# Altium PCB DAC_Sources_REV2.PcbDoc (part 7 of 9) (continued)
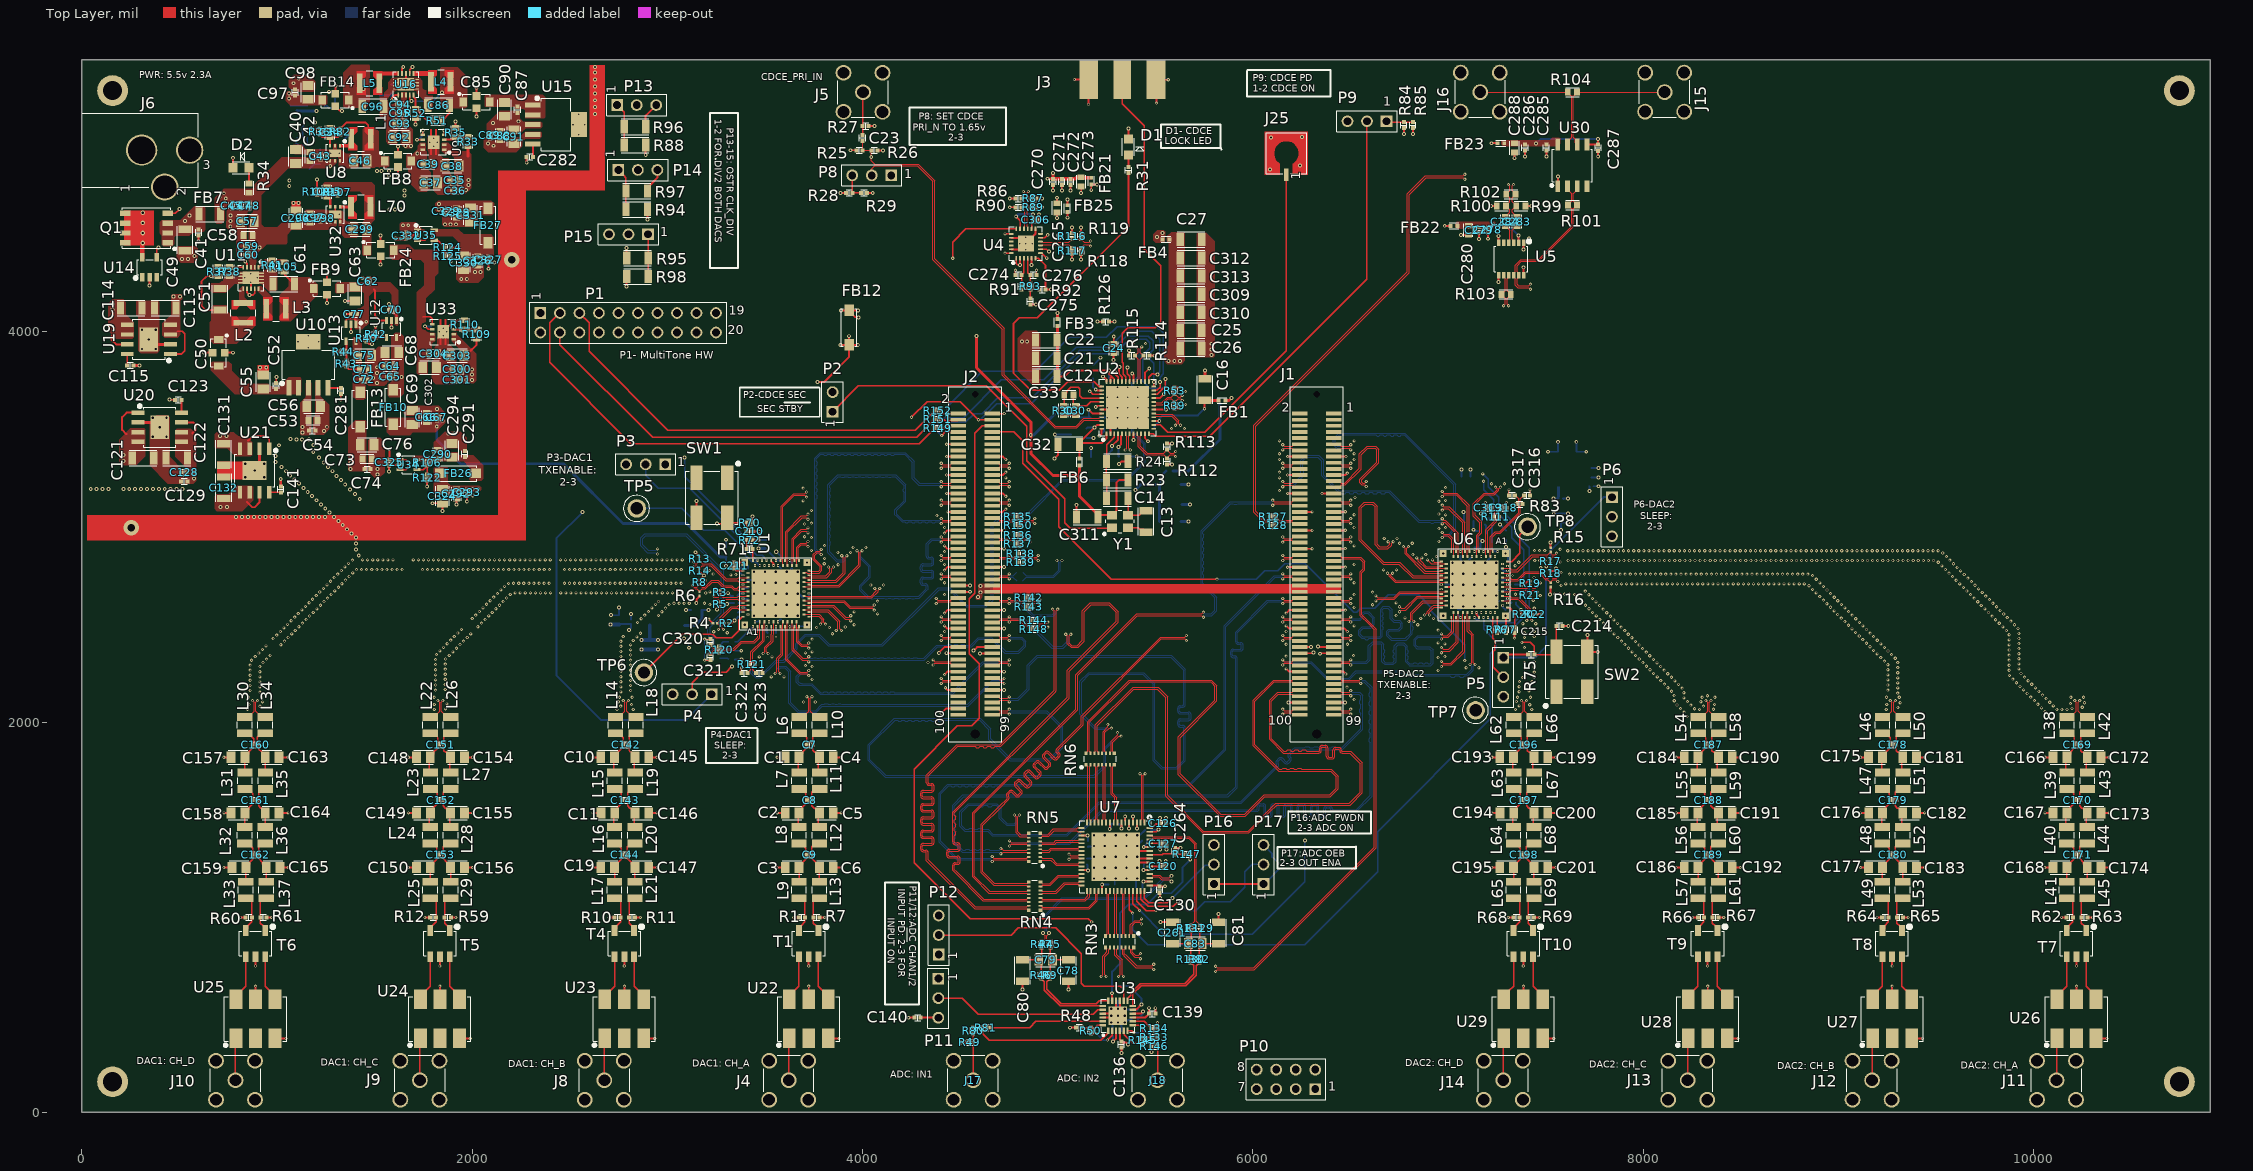
[diagram p0: Top Layer view]
## Nets (pads, with @x,y where several pads share a name; then routed paths per layer and width w, separated by ;. In a path a pad name is that pad's centre, name@x,y a point inside that pad or via, vN(x,y) a via of type N, cw(c..) or ccw(c..) an arc to the next point about the centre after c; other vN are vias at no path point) (continued)
JX2_D11_DAC2_N: J1.19 U6.B11 | length 1469.8
  Top Layer w5: J1.19@6414.37,3297.91 6443.9,3297.91 6451.24,3305.26 6451.24,3305.57 6454.83,3309.16 6493.35,3309.16 v1(6501.85,3300.66) ; v1(6894.88,2831.54) 6915.39,2811.02 6926.1,2811.02 U6.B11@6991.34,2811.02
  SIG_03 w4: v1(6501.85,3300.66) 6510.35,3309.16 6553.1,3309.16 6559.6,3309.16 ccw(c6559.6,3325.41) 6575.85,3325.41 6575.85,3351.91 cw(c6583.1,3351.91) 6583.1,3359.16 6597.6,3359.16 cw(c6597.6,3351.91) 6604.85,3351.91 6604.85,3286.68 ccw(c6621.1,3286.68) 6621.1,3270.43 6635.6,3270.43 ccw(c6635.6,3286.68) 6651.85,3286.68 6651.85,3301.91 cw(c6659.1,3301.91) 6659.1,3309.16 6679.55,3309.16 6686.51,3309.16 6706.3,3289.37 6706.3,3267.45 6650.84,3212 6650.84,3174.62 6675.01,3150.45 6690.21,3150.45 6751.57,3211.81 6780.71,3211.81 6796.85,3195.67 6796.85,3176.51 6741,3120.66 6741,3091.94 6757.3,3075.65 6803.6,3075.65 6842.52,3114.57 6871.13,3114.57 6903.38,3082.32 6903.38,2840.04 v1(6894.88,2831.54)
JX2_D11_DAC2_P: J1.17 U6.A12 | length 1469.2
  Top Layer w5: J1.17@6414.37,3329.41 6443.9,3329.41 6451.24,3322.07 6451.24,3321.09 6454.17,3318.16 6493.35,3318.16 v1(6501.85,3326.66) ; v1(6920.88,2831.54) 6920.88,2828.97 6929.83,2820.02 6957.45,2820.02 6957.83,2820.41 6963.33,2820.41 U6.A12@6965.75,2822.83
  SIG_03 w4: v1(6501.85,3326.66) 6510.35,3318.16 6553.1,3318.16 6559.6,3318.16 ccw(c6559.6,3325.41) 6566.85,3325.41 6566.85,3351.91 cw(c6583.1,3351.91) 6583.1,3368.16 6597.6,3368.16 cw(c6597.6,3351.91) 6613.85,3351.91 6613.85,3286.68 ccw(c6621.1,3286.68) 6621.1,3279.43 6635.6,3279.43 ccw(c6635.6,3286.68) 6642.85,3286.68 6642.85,3301.91 cw(c6659.1,3301.91) 6659.1,3318.16 6679.55,3318.16 6690.24,3318.16 6715.3,3293.1 6715.3,3263.72 6699.21,3247.64 6699.21,3240.16 6692.52,3233.46 6685.04,3233.46 6679.13,3227.56 6679.13,3220.08 6672.44,3213.39 6664.96,3213.39 6659.84,3208.27 6659.84,3178.35 6678.74,3159.45 6686.48,3159.45 6693.05,3166.01 6693.05,3174.94 6697.64,3179.53 6706.56,3179.53 6726.64,3199.61 6747.85,3220.81 6784.44,3220.81 6805.85,3199.4 6805.85,3172.78 6790.16,3157.09 6790.16,3148.16 6785.57,3143.57 6776.64,3143.57 6770.08,3137.01 6770.08,3128.08 6765.49,3123.49 6756.56,3123.49 6750,3116.93 6750,3095.67 6761.02,3084.65 6799.87,3084.65 6838.79,3123.57 6874.86,3123.57 6912.38,3086.05 6912.38,3066.93 6917.32,3061.98 6917.32,3051.57 6912.38,3046.63 6912.38,3035.22 6917.32,3030.27 6917.32,3019.87 6912.38,3014.92 6912.38,3003.51 6917.32,2998.56 6917.32,2988.16 6912.38,2983.21 6912.38,2840.04 v1(6920.88,2831.54)
JX2_D12_DAC2_N: J1.13 U6.A11 | length 1415.1
  Top Layer w5: J1.13@6414.37,3392.4 6443.9,3392.4 6451.24,3399.74 6451.24,3400.06 6454.83,3403.65 6493.35,3403.65 v1(6501.85,3395.15) ; v1(6970.47,2946.21) 6978.97,2954.71 6999.23,2954.71 7019.74,2934.2 7019.74,2882.32 7019.35,2881.93 7019.35,2876.44 U6.A11@7016.93,2874.02
  Bottom Layer w5: v1(6501.85,3395.15) 6493.35,3403.65 6429.71,3403.65 6413.19,3420.17 6413.19,3453.09 6440.76,3480.65 6778.53,3480.65 7039.71,3219.48 7039.71,2987.15 7007.27,2954.71 6978.97,2954.71 v1(6970.47,2946.21)
JX2_D12_DAC2_P: J1.11 U6.B10 | length 1414.9
  Top Layer w5: J1.11@6414.37,3423.9 6443.9,3423.9 6451.24,3416.56 6451.24,3415.58 6454.17,3412.65 6493.35,3412.65 v1(6501.85,3421.15) ; v1(6970.47,2972.21) 6978.97,2963.71 7002.95,2963.71 7028.74,2937.92 7028.74,2913.66 U6.B10@7028.74,2848.43
  Bottom Layer w5: v1(6501.85,3421.15) 6493.35,3412.65 6433.44,3412.65 6422.19,3423.9 6422.19,3449.36 6444.49,3471.65 6630.54,3471.65 6636.5,3465.69 6646.28,3465.69 6652.25,3471.65 6666.6,3471.65 6672.56,3465.69 6682.35,3465.69 6688.31,3471.65 6702.67,3471.65 6708.63,3465.69 6718.42,3465.69 6724.38,3471.65 6738.74,3471.65 6744.7,3465.69 6754.48,3465.69 6760.45,3471.65 6774.8,3471.65 7030.71,3215.75 7030.71,2990.88 7003.54,2963.71 6978.97,2963.71 v1(6970.47,2972.21)
JX2_D13_DAC2_N: J1.26 U6.A10 | length 1442.3
  Top Layer w5: v1(6153.66,3206.17) 6162.16,3214.67 6200.68,3214.67 6204.27,3211.08 6204.27,3210.77 6211.61,3203.43 J1.26@6241.14,3203.43 ; v1(6970.47,3016.22) 6978.97,3024.72 6983.47,3024.72 7043.36,2964.83 7043.36,2882.32 7042.97,2881.93 7042.97,2876.44 U6.A10@7040.55,2874.02
  Bottom Layer w5: v1(6153.66,3206.17) 6162.16,3214.67 6212.31,3214.67 6217.58,3219.95 6249.85,3252.21 6255.12,3257.48 6255.12,3268.99 6261.08,3274.95 6261.08,3291.92 6255.12,3297.88 6255.12,3338.58 6274.86,3358.32 6333.73,3358.32 6353.99,3338.06 6353.99,3261.63 6436.16,3179.46 6438.79,3176.83 6450.3,3176.83 6456.26,3170.87 6473.23,3170.87 6479.19,3176.83 6490.7,3176.83 6496.66,3170.87 6513.63,3170.87 6519.59,3176.83 6531.1,3176.83 6537.06,3170.87 6554.02,3170.87 6559.98,3176.83 6571.5,3176.83 6577.46,3170.87 6594.42,3170.87 6600.38,3176.83 6611.89,3176.83 6617.85,3170.87 6634.82,3170.87 6640.78,3176.83 6652.29,3176.83 6658.25,3170.87 6675.21,3170.87 6681.17,3176.83 6697.58,3176.83 6849.69,3024.72 6907.52,3024.72 6913.34,3018.9 6925.59,3018.9 6931.41,3024.72 6961.97,3024.72 v1(6970.47,3016.22)
JX2_D13_DAC2_P: J1.24 U6.B9 | length 1442.6
  Top Layer w5: v1(6153.66,3232.17) 6162.16,3223.67 6201.34,3223.67 6204.27,3226.6 6204.27,3227.58 6211.61,3234.92 J1.24@6241.14,3234.92 ; v1(6970.47,3042.22) 6978.97,3033.72 6987.2,3033.72 7052.36,2968.56 7052.36,2913.66 U6.B9@7052.36,2848.43
  Bottom Layer w5: v1(6153.66,3232.17) 6162.16,3223.67 6208.58,3223.67 6246.12,3261.21 6246.12,3342.31 6271.13,3367.32 6337.46,3367.32 6362.99,3341.79 6362.99,3265.35 6442.52,3185.83 6701.31,3185.83 6853.42,3033.72 6961.97,3033.72 v1(6970.47,3042.22)
JX2_D14_DAC2_N: J1.20 U6.B8 | length 1444.9
  Top Layer w5: v1(6153.66,3300.66) 6162.16,3309.16 6200.68,3309.16 6204.27,3305.57 6204.27,3305.26 6211.61,3297.91 J1.20@6241.14,3297.91 ; v1(6970.47,3086.23) 6978.97,3094.73 7001.73,3094.73 7075.98,3020.47 U6.B8@7075.98,2848.43
  SIG_03 w4: v1(6153.66,3300.66) 6162.16,3309.16 6320.18,3309.16 6470.53,3459.5 6570.87,3459.5 6935.64,3094.73 6961.97,3094.73 v1(6970.47,3086.23)
JX2_D14_DAC2_P: J1.18 U6.A8 | length 1446.2
  Top Layer w5: v1(6153.66,3326.66) 6162.16,3318.16 6201.34,3318.16 6204.27,3321.09 6204.27,3322.07 6211.61,3329.41 J1.18@6241.14,3329.41 ; v1(6970.47,3112.23) 6978.97,3103.73 7005.45,3103.73 7084.98,3024.2 7084.98,2882.32 7085.37,2881.93 7085.37,2876.44 U6.A8@7087.8,2874.02
  SIG_03 w4: v1(6153.66,3326.66) 6162.16,3318.16 6316.46,3318.16 6466.8,3468.5 6481.1,3468.5 6487.4,3474.8 6501.18,3474.8 6507.48,3468.5 6521.78,3468.5 6528.08,3474.8 6541.86,3474.8 6548.16,3468.5 6574.6,3468.5 6939.37,3103.73 6961.97,3103.73 v1(6970.47,3112.23)
JX2_D15_DAC2_N: J1.14 U6.B7 | length 1534.8
  Top Layer w5: v1(6153.66,3395.15) 6162.16,3403.65 6200.68,3403.65 6204.27,3400.06 6204.27,3399.74 6211.61,3392.4 J1.14@6241.14,3392.4 ; v1(6970.47,3156.24) 6978.97,3164.74 7041.56,3164.74 7099.61,3106.69 U6.B7@7099.61,2848.43
  SIG_03 w4: v1(6153.66,3395.15) 6162.16,3403.65 6300.5,3403.65 6401.97,3505.12 6625.59,3505.12 6912.65,3218.06 6912.65,3188.91 6936.82,3164.74 6961.97,3164.74 v1(6970.47,3156.24)
JX2_D15_DAC2_P: J1.12 U6.A7 | length 1535.5
  Top Layer w5: v1(6153.66,3421.15) 6162.16,3412.65 6201.34,3412.65 6204.27,3415.58 6204.27,3416.56 6211.61,3423.9 J1.12@6241.14,3423.9 ; v1(6970.47,3182.24) 6978.97,3173.74 7045.29,3173.74 7108.61,3110.42 7108.61,2882.32 7109,2881.93 7109,2876.44 U6.A7@7111.42,2874.02
  SIG_03 w4: v1(6153.66,3421.15) 6162.16,3412.65 6296.77,3412.65 6398.24,3514.12 6412.6,3514.12 6418.56,3520.08 6428.35,3520.08 6434.31,3514.12 6448.66,3514.12 6454.63,3520.08 6464.41,3520.08 6470.37,3514.12 6629.32,3514.12 6921.65,3221.78 6921.65,3192.64 6940.55,3173.74 6961.97,3173.74 v1(6970.47,3182.24)
JX2_DACCLK_DAC2_IN_N: C319.1 R111.1 U6.B3 | length 285.2
  Top Layer w5: U6.B3@7194.09,2848.43 7194.09,2985.52 7240.78,3032.2 7240.78,3041.11 R111.1@7229.53,3052.36 7240.77,3063.61 7240.77,3079.89 C319.1@7223.03,3097.64
JX2_DACCLK_DAC2_IN_P: C318.1 R111.2 U6.A3 | length 260.8
  Top Layer w5: U6.A3@7205.91,2874.02 7203.48,2876.44 7203.48,2881.93 7203.09,2882.32 7203.09,2981.8 7249.78,3028.48 7249.78,3041.11 R111.2@7261.02,3052.36 7249.77,3063.61 7249.77,3079.89 C318.1@7267.52,3097.64
JX2_DACCLK_DAC2_N: C319.2 R53.2 U2.20 | length 2463.6
  Top Layer w5: U2.20@5492.91,3640.94 5500,3640.94 5502.22,3638.72 5502.22,3638.53 5505.15,3635.6 5534.42,3635.6 5563.75,3664.93 5582.26,3664.93 R53.2@5600,3682.68 5617.74,3664.93 5629.48,3664.93 v1(5638.58,3674.03) ; C319.2@7191.53,3097.64 v1(7191.53,3125.59)
  SIG_03 w4: v1(5638.58,3674.03) 5630.08,3665.53 5603.54,3665.53 5585.43,3683.64 5585.43,3722.83 5596.85,3734.25 6933.46,3734.25 7149.66,3518.06 7149.66,3201.52 7186.61,3164.57 7224.8,3164.57 7240.77,3148.6 7240.77,3137.01 7229.36,3125.59 v1(7191.53,3125.59)
JX2_DACCLK_DAC2_P: C318.2 R39.2 U2.19 | length 2507.4
  Top Layer w5: U2.19@5492.91,3621.26 5500,3621.26 5502.22,3623.48 5502.22,3623.67 5505.15,3626.6 5538.15,3626.6 5567.48,3655.93 5581.86,3655.93 ; 5582.26,3655.93 R39.2@5600,3638.19 5617.74,3655.93 5630.68,3655.93 v1(5638.58,3648.03) ; C318.2@7299.01,3097.64 v1(7299.01,3125.59)
  SIG_03 w4: v1(5638.58,3648.03) 5630.08,3656.53 5599.82,3656.53 5576.43,3679.91 5576.43,3726.56 5593.12,3743.25 5616.35,3743.25 6937.19,3743.25 7158.66,3521.78 7158.66,3205.25 7190.34,3173.57 7228.53,3173.57 7249.77,3152.32 7249.77,3137.01 7261.19,3125.59 v1(7299.01,3125.59)
JX2_DATACLK_DAC2_N: J1.43 U6.B15 | length 1524.8
  Top Layer w5: J1.43@6414.37,2919.96 6443.9,2919.96 6451.24,2927.3 6451.24,2927.62 6454.83,2931.21 6493.35,2931.21 v1(6501.85,2922.71) ; v1(6690.14,2763.07) 6698.64,2754.57 6698.64,2747.33 6729.44,2716.54 6926.1,2716.54 U6.B15@6991.34,2716.54
  SIG_03 w4: v1(6501.85,2922.71) 6510.35,2931.21 6617.09,2931.21 6663.65,2884.65 6724.28,2884.65 6811.35,2797.57 6813.99,2794.94 6945.49,2794.94 6981.55,2758.87 6981.55,2672.89 6960.63,2651.97 6804.72,2651.97 6793.25,2663.44 6793.25,2778.14 6761.21,2810.18 6717.93,2810.18 6698.64,2790.9 6698.64,2771.57 v1(6690.14,2763.07)
JX2_DATACLK_DAC2_P: J1.41 U6.A16 | length 1527.1
  Top Layer w5: J1.41@6414.37,2951.46 6443.9,2951.46 6451.24,2944.11 6451.24,2943.14 6454.17,2940.21 6493.35,2940.21 v1(6501.85,2948.71) ; v1(6716.14,2763.07) 6707.64,2754.57 6707.64,2751.06 6733.17,2725.54 6957.45,2725.54 6957.83,2725.93 6963.33,2725.93 U6.A16@6965.75,2728.35
  SIG_03 w4: v1(6501.85,2948.71) 6510.35,2940.21 6620.82,2940.21 6635.04,2925.98 6643.31,2925.98 6652.36,2916.93 6652.36,2908.66 6667.38,2893.65 6728.01,2893.65 6741.34,2880.32 6750.79,2880.32 6757.68,2873.43 6757.68,2863.98 6763.78,2857.87 6773.23,2857.87 6780.12,2850.98 6780.12,2841.54 6786.22,2835.43 6795.67,2835.43 6802.56,2828.54 6802.56,2819.09 6817.72,2803.94 6949.21,2803.94 6990.55,2762.6 6990.55,2669.16 6964.36,2642.97 6872.23,2642.97 6801,2642.97 6784.25,2659.71 6784.25,2681.1 6778.35,2687.01 6778.35,2703.15 6784.25,2709.06 6784.25,2774.41 6757.48,2801.18 6721.65,2801.18 6707.64,2787.17 6707.64,2771.57 v1(6716.14,2763.07)
NetC1_2: C1.2 C7.1 L6.1 L7.2 | length 244.7
  Top Layer w7.5: C1.2@3670.08,1820 3670.65,1819.43 L7.2@3670.65,1742 ; L6.1@3674.63,1944.25 3693.63,1944.25 3709.88,1928 3709.88,1926 3713.88,1922 3713.88,1886.25 3713.88,1868.69 3693.95,1848.76 3693.95,1840.14 C1.2@3675.06,1821.25
NetC2_2: C2.2 C8.1 L7.1 L8.2 | length 239.9
  Top Layer w7.5: L8.2@3669.65,1462 3670.51,1462.87 3670.51,1535 3689.4,1553.89 3689.4,1562.23 3709.65,1582.48 3709.65,1635.24 3705.9,1638.99 3705.9,1641.75 3689.65,1658 L7.1@3670.65,1658
NetC3_2: C3.2 C9.1 L8.1 L9.2 | length 237.9
  Top Layer w7.5: L8.1@3669.65,1378 3688.65,1378 3704.9,1361.75 3704.9,1358.88 3709.25,1354.53 3709.25,1320 3709.25,1297.83 3693.97,1282.55 3693.97,1273.89 C3.2@3675.08,1255 3675.08,1182.43 L9.2@3674.65,1182
NetC4_2: C4.2 C7.2 L10.2 L11.1 | length 237.9
  Top Layer w7.5: C4.2@3774.21,1820 3774.21,1743.43 L11.1@3775.65,1742 ; C4.2@3779.2,1827.16 3761.56,1844.79 3756.02,1844.79 3755.93,1844.88 3755.57,1844.88 3745.38,1855.07 3745.38,1886.25 3745.38,1928 3761.63,1944.25 L10.2@3779.63,1944.25
NetC5_2: C5.2 C8.2 L11.2 L12.1 | length 236.8
  Top Layer w7.5: L12.1@3774.65,1462 3774.65,1534.57 3774.21,1535 3774.21,1540.91 3755.32,1559.79 3752.02,1559.79 3741.14,1570.67 3741.14,1641.75 3757.39,1658 L11.2@3775.65,1658
NetC6_2: C6.2 C9.2 L12.2 L13.1 | length 236.5
  Top Layer w7.5: L12.2@3774.65,1378 3757,1378 3740.75,1361.75 3740.75,1302.17 3760.32,1282.59 3760.32,1273.89 C6.2@3779.21,1255 3779.21,1182.43 L13.1@3779.65,1182
NetC10_2: C10.2 C142.1 L14.1 L15.2 | length 245.5
  Top Layer w7.5: L15.2@2725.76,1742 C10.2@2725.76,1819.43 ; C10.2@2730.2,1820 2749.08,1838.89 2749.08,1847.51 2769.48,1867.91 2769.48,1881.1 C142.1@2773.39,1885 2773.39,1921.1 2770.01,1924.47 2770.01,1926.75 2753.76,1943 L14.1@2734.76,1943
NetC11_2: C11.2 C143.1 L15.1 L16.2 | length 239.9
  Top Layer w7.5: L16.2@2724.76,1462 2725.63,1462.87 2725.63,1535 2744.52,1553.89 2744.52,1562.23 2764.76,1582.48 2764.76,1635.24 2761.01,1638.99 2761.01,1641.75 2744.76,1658 L15.1@2725.76,1658
NetC13_1: C13.1 C14.1 Y1.3 | length 187.4
  Top Layer w7.5: C14.1@5360.63,3146.85 5360.63,3061.61 Y1.3@5361.02,3061.22 5417.91,3061.22 5422.68,3065.99 5422.68,3066.98 5438.39,3082.68 C13.1@5453.15,3082.68
NetC13_2: C13.2 Y1.2 | length 102
  Top Layer w7.5: Y1.2@5361.02,2996.26 5412.4,2996.26 5420.52,2988.14 5437.45,2988.14 C13.2@5453.15,2972.44
NetC14_2: C14.2 R23.1 R24.2 U2.3 | length 347.5
  Top Layer w7.5: C14.2@5250.39,3146.85 5250.39,3240.55 R23.1@5250,3240.94 5250,3334.25 R24.2@5250.79,3335.04 5250.79,3420.87 5290.16,3460.24 U2.3@5290.16,3477.56
NetC19_2: C19.2 C144.1 L16.1 L17.2 | length 237.9
  Top Layer w7.5: L16.1@2724.76,1378 2743.76,1378 2760.01,1361.75 2760.01,1358.88 2764.37,1354.53 2764.37,1320 2764.37,1297.83 2749.08,1282.55 2749.08,1273.89 C19.2@2730.2,1255 2730.2,1182.43 L17.2@2729.76,1182
NetC23_2: C23.2 J5.1 R27.2 | length 219.3
  Top Layer w7.5: C23.2@4000.39,5009.06 R27.2@4000.39,5054.72 4000.39,5224.98 J5.1@4002.76,5227.34
NetC30_1: C30.1 R30.2 | length 61
  Top Layer w7.5: R30.2@5029.53,3573.23 C30.1@5090.55,3573.23
NetC30_2: C30.2 C33.2 U2.41 | length 203.7
  Top Layer w7.5: C33.2@5081.1,3677.17 5081.1,3629.92 C30.2@5090.55,3620.47 5150.39,3620.47 5170.87,3640.94 U2.41@5225.2,3640.94
NetC33_1: C33.1 R30.1 U2.40 | length 313.5
  Top Layer w7.5: R30.1@5029.53,3620.47 5033.86,3624.8 C33.1@5033.86,3677.17 5045.62,3688.93 5045.62,3695.23 5066.93,3716.54 5104.33,3716.54 5112.99,3707.87 5112.99,3672.83 5125.2,3660.63 U2.40@5225.2,3660.63
NetC34_1: C34.1 C46.2 FB8.1 L1.2 R32.2 | length 235.2
  Top Layer w10: C34.1@1271.65,5045.67 1320.87,5045.67 R32.2@1324.8,5041.73 1356.69,5073.62 1452.76,5073.62 1467.72,5058.66 1467.72,5040.55
NetC34_2: C34.2 R32.1 R36.2 U8.3 | length 160.9
  Top Layer w10: R36.2@1219.29,5010.24 1231.1,4998.43 C34.2@1271.65,4998.43 ; U8.3@1272.05,4952.95 1272.05,4998.03 C34.2@1271.65,4998.43 ; R32.1@1324.8,5010.24 1312.99,4998.43 C34.2@1271.65,4998.43
NetC37_2: C37.2 C39.2 FB8.3 U9.5 U9.7@1747.05,4958.74 U9.8 | length 149.9
  Top Layer w7.5: U9.5@1747.05,5009.92 v2(1747.05,5030.91)
  SIG_03 w10: v2(1718.9,4913.62) 1747.05,4941.77 v2(1747.05,5030.91)
NetC44_1: C44.1 U9.6 | length 64
  Top Layer w10: v2(1716.81,4984.25) U9.6@1747.05,4984.33
  Bottom Layer w10: v2(1716.81,4984.25) 1724.41,4984.25 C44.1@1742.91,5002.76
NetC50_1: C50.1 C51.1 L2.2 R37.2 U11.4 | length 563.2
  Top Layer w9: R37.2@697.64,4284.65 v2(661.02,4284.65) 639.37,4284.65 612.99,4258.27 612.99,4134.25 635.83,4111.42 C51.1@707.87,4111.42 ; v2(837.4,4359.45) 846.85,4350 U11.4@846.85,4331.5
  SIG_03 w9: v2(661.02,4284.65) 735.83,4359.45 v2(837.4,4359.45)
NetC50_3: C50.3 C52.1 C55.2 U10.1 U10.2
NetC61_1: C61.1 FB9.1 L3.2 R105.2 | length 76.8
  Top Layer w10: R105.2@1035.43,4298.43 C61.1@1089.76,4244.09
NetC62_1: C62.1 C63.2 C70.1 C77.1 C325.1 FB9.3 U12.1 U12.3 U13.1 U13.3 U34.1 U34.3 | length 1274
  Top Layer w7.5: U13.3@1353.94,4038.19 1356.13,4040.38 1356.13,4063.48 1360.52,4067.87 1395.12,4067.87 1405.12,4057.87 ; C325.1@1575.39,3347.05 C325.1@1574.8,3346.46 1581.29,3346.27 1615.36,3346.27 U34.1@1630.31,3344.88 1660.63,3344.88 1670.87,3334.65 1670.87,3305.12 1659.45,3293.7 U34.3@1630.31,3293.7
  Top Layer w10: 1496.85,4217.32 1501.18,4212.99 1501.18,4084.25 1527.56,4057.87 U12.3@1561.02,4057.87 ; C325.1@1575.39,3347.05 v2(1575.39,3398.23) ; C70.1@1604.72,4112.6 1604.72,4094.09 1612.2,4086.61 U12.1@1612.2,4057.87
  SIG_06 w15: v2(1457.48,4051.57) 1457.48,4014.57 1575.39,3896.65 v2(1575.39,3398.23)
NetC64_2: C64.2 C65.1 C68.2 FB10.1 R40.2 U12.5 | length 264.3
  Top Layer w10: R40.2@1459.84,3951.18 1474.02,3937.01 v2(1487.8,3937.01)
  SIG_03 w10: v2(1487.8,3937.01) 1637.4,3787.4 v2(1637.4,3768.5)
NetC71_2: C71.2 C72.1 C75.2 FB13.1 R43.2 U13.5 | length 73.9
  Top Layer w10: R43.2@1355.12,3821.26 1368.11,3808.27 C71.2@1423.62,3808.27
NetC78_1: C78.1 C79.1 R9.2 R45.1 | length 219.8
  Top Layer w7.5: R9.2@4961.42,717.72 4961.42,768.5 C79.1@4974.41,781.5 ; R45.1@4962.2,845.67 4962.2,793.7 C79.1@4974.41,781.5 ; C78.1@5055.51,782.28 5054.72,781.5 C79.1@4974.41,781.5
NetC79_2: C79.2 C80.1 R46.2 R47.1 | length 224
  Top Layer w7.5: C80.1@4819.29,781.89 4819.69,781.5 C79.2@4903.54,781.5 ; R46.2@4916.54,717.72 4916.54,768.5 C79.2@4903.54,781.5 ; R47.1@4917.72,846.06 4917.72,795.67 C79.2@4903.54,781.5
NetC81_1: C81.1 C83.1 R82.2 R129.1 | length 223
  Top Layer w7.5: R82.2@5725.98,801.18 5725.98,849.61 C83.1@5741.34,864.96 ; R129.1@5729.13,929.13 5729.13,877.17 C83.1@5741.34,864.96 ; C81.1@5824.8,864.57 5824.41,864.96 C83.1@5741.34,864.96
NetC83_2: C83.2 C261.1 R130.2 R131.1 | length 220.9
  Top Layer w7.5: C261.1@5587.8,864.96 C83.2@5670.47,864.96 ; R130.2@5681.5,801.18 5681.5,853.94 C83.2@5670.47,864.96 ; R131.1@5684.25,929.13 5684.25,878.74 C83.2@5670.47,864.96
NetC85_1: C85.1 C86.1 L4.2 R51.2 U16.4 | length 302.4
  Top Layer w9: U16.4@1680.51,5213.39 1680.51,5191.54 v2(1690.16,5181.89)
  Top Layer w10: R51.2@1845.67,5082.28 1883.46,5120.08 C86.1@1883.46,5160.24
  Bottom Layer w9: v2(1690.16,5181.89) 1800,5181.89 v2(1844.88,5226.77)
NetC85_3: C85.3 C87.1 C90.2 U15.1 U15.2
NetC96_1: C96.1 FB14.1 L5.2 R123.2 | length 43.7
  Bottom Layer w10: v2(1442.52,5244.49) 1444.43,5242.57 1444.43,5227.3 1449.05,5222.68 1449.05,5220.71 1459.8,5209.96 R123.2@1461.77,5209.96
NetC97_1: C97.1 C98.2 C105.1 C112.1 C332.1 FB14.3 U17.1 U17.3 U18.1 U18.3 U35.1 U35.3 | length 1336.2
  Top Layer w7.5: U35.3@1719.68,4469.29 1756.42,4469.29 1766.89,4479.76 1766.89,4505.79 1752.2,4520.47 U35.1@1719.68,4520.47
  SIG_03 w19.68: v2(1062.65,5195.41) 1062.65,4977.12 1493.72,4546.05 v2(1645.91,4546.05)
  Bottom Layer w7.5: 1067.32,5160.63 1070.08,5157.87 U17.3@1157.87,5157.87 ; U18.1@1104.72,4996.85 1104.72,4986.02 1097.24,4978.54 1097.24,4968.57 1110.93,4954.88 1148.86,4954.88 1155.91,4961.93 U18.3@1155.91,4996.85
  other v2: 1672.54,4546.1 1062.6,5222.05
NetC99_2: C99.2 C100.1 C103.2 FB15.1 R54.2 U17.5
NetC106_2: C106.2 C107.1 C110.2 FB16.1 R57.2 U18.5 | length 66
  Bottom Layer w10: C110.2@1165.35,4834.25 1189.76,4858.66 R57.2@1221.26,4858.66
NetC115_1: C115.1 U19.8 | length 58.2
  Top Layer w10: U19.8@232.45,3886.02 232.68,3885.8 C115.1@232.68,3827.95
NetC123_1: C123.1 U20.8 | length 66
  Top Layer w10: C123.1@509.45,3651.57 510.46,3650.56 U20.8@510.46,3586.02
NetC141_1: C141.1 U21.8 | length 59.3
  Top Layer w10: U21.8@960.43,3178.12 1018.34,3178.12 C141.1@1019.29,3177.17
NetC142_2: C142.2 C145.2 L18.2 L19.1 | length 240.8
  Top Layer w7.5: C145.2@2829.33,1820 2829.33,1743.43 L19.1@2830.76,1742 ; C145.2@2834.33,1820 2834.33,1825.91 2815.44,1844.79 2812.66,1844.79 2808.27,1849.19 2804.88,1852.6 2804.88,1926.75 2821.13,1943 L18.2@2839.76,1943
NetC143_2: C143.2 C146.2 L19.2 L20.1 | length 236.8
  Top Layer w7.5: L20.1@2829.76,1462 2829.76,1534.57 2829.33,1535 2829.33,1540.91 2810.44,1559.79 2807.14,1559.79 2796.26,1570.67 2796.26,1641.75 2812.51,1658 L19.2@2830.76,1658
NetC144_2: C144.2 C147.2 L20.2 L21.1 | length 236.5
  Top Layer w7.5: L20.2@2829.76,1378 2812.12,1378 2795.87,1361.75 2795.87,1302.17 2815.44,1282.59 2815.44,1273.89 C147.2@2834.33,1255 2834.33,1182.43 L21.1@2834.76,1182
NetC148_2: C148.2 C151.1 L22.1 L23.2 | length 243.9
  Top Layer w7.5: L23.2@1780.88,1742 C148.2@1780.88,1819.43 ; L22.1@1784.88,1943 1803.88,1943 1820.13,1926.75 1820.13,1924.75 1824.13,1920.75 C151.1@1824.13,1885 1824.13,1867.44 1804.2,1847.51 1804.2,1838.89 C148.2@1785.31,1820
NetC149_2: C149.2 C152.1 L23.1 L24.2 | length 239.9
  Top Layer w7.5: L24.2@1779.88,1462 1780.75,1462.87 1780.75,1535 1799.64,1553.89 1799.64,1562.23 1819.88,1582.48 1819.88,1635.24 1816.13,1638.99 1816.13,1641.75 1799.88,1658 L23.1@1780.88,1658
NetC150_2: C150.2 C153.1 L24.1 L25.2 | length 237.9
  Top Layer w7.5: L24.1@1779.88,1378 1798.88,1378 1815.13,1361.75 1815.13,1358.88 1819.49,1354.53 1819.49,1320 1819.49,1297.83 1804.2,1282.55 1804.2,1273.89 C150.2@1785.31,1255 1785.31,1182.43 L25.2@1784.88,1182
NetC151_2: C151.2 C154.2 L26.2 L27.1 | length 243.8
  Top Layer w7.5: C154.2@1884.45,1820 1884.45,1743.43 L27.1@1885.88,1742 ; C154.2@1889.45,1820 1889.45,1825.91 1870.56,1844.79 1864.66,1844.79 1855.63,1853.82 C151.2@1855.63,1885 1855.63,1926.75 1871.88,1943 L26.2@1889.88,1943
NetC152_2: C152.2 C155.2 L27.2 L28.1 | length 236.8
  Top Layer w7.5: L28.1@1884.88,1462 1884.88,1534.57 1884.45,1535 1884.45,1540.91 1865.56,1559.79 1862.25,1559.79 1851.38,1570.67 1851.38,1641.75 1867.63,1658 L27.2@1885.88,1658
NetC153_2: C153.2 C156.2 L28.2 L29.1 | length 236.5
  Top Layer w7.5: L28.2@1884.88,1378 1867.23,1378 1850.98,1361.75 1850.98,1302.17 1870.56,1282.59 1870.56,1273.89 C156.2@1889.45,1255 1889.45,1182.43 L29.1@1889.88,1182
NetC157_2: C157.2 C160.1 L30.1 L31.2 | length 250.4
  Top Layer w7.5: L30.1@835,1943 854,1943 881.09,1915.91 881.09,1891.49 C160.1@874.61,1885 874.6,1867.91 854.32,1847.63 854.32,1838.89 C157.2@835.43,1820 836,1819.43 L31.2@836,1742
NetC158_2: C158.2 C161.1 L31.1 L32.2 | length 239.9
  Top Layer w7.5: L32.2@835,1462 835.87,1462.87 C158.2@835.87,1535 854.75,1553.89 854.75,1562.23 875,1582.48 875,1635.24 871.25,1638.99 871.25,1641.75 855,1658 L31.1@836,1658
NetC159_2: C159.2 C162.1 L32.1 L33.2 | length 237.9
  Top Layer w7.5: L32.1@835,1378 854,1378 870.25,1361.75 870.25,1358.88 874.61,1354.53 C162.1@874.61,1320 874.61,1297.83 859.32,1282.55 859.32,1273.89 C159.2@840.43,1255 840.43,1182.43 L33.2@840,1182
NetC160_2: C160.2 C163.2 L34.2 L35.1 | length 246
  Top Layer w7.5: 899.62,1895.87 899.62,1891.49 C160.2@906.1,1885 906.1,1862.01 920.68,1847.43 920.68,1838.89 C163.2@939.57,1820 939.57,1743.43 L35.1@941,1742 ; 899.61,1895.88 899.61,1921.61 921,1943 L34.2@940,1943
NetC161_2: C161.2 C164.2 L35.2 L36.1 | length 236.8
  Top Layer w7.5: L36.1@940,1462 940,1534.57 C164.2@939.57,1535 939.57,1540.91 920.68,1559.79 917.37,1559.79 906.5,1570.67 906.5,1641.75 922.75,1658 L35.2@941,1658
NetC162_2: C162.2 C165.2 L36.2 L37.1 | length 236.5
  Top Layer w7.5: L36.2@940,1378 922.35,1378 906.1,1361.75 906.1,1302.17 925.68,1282.59 925.68,1273.89 C165.2@944.57,1255 944.57,1182.43 L37.1@945,1182
NetC166_2: C166.2 C169.1 L38.1 L39.2 | length 243.6
  Top Layer w7.5: L39.2@10166.71,1742 C166.2@10166.71,1819.43 ; C166.2@10171.14,1820 10190.03,1838.89 10190.03,1847.51 10210.2,1867.68 10210.2,1921.3 10207.19,1924.3 10207.19,1926.75 10190.94,1943 L38.1@10171.94,1943
NetC167_2: C167.2 C170.1 L39.1 L40.2 | length 239.9
  Top Layer w7.5: L40.2@10165.71,1462 10166.57,1462.87 10166.57,1535 10185.46,1553.89 10185.46,1562.23 10205.71,1582.48 10205.71,1635.24 10201.96,1638.99 10201.96,1641.75 10185.71,1658 L39.1@10166.71,1658
NetC168_2: C168.2 C171.1 L40.1 L41.2 | length 237.9
  Top Layer w7.5: L40.1@10165.71,1378 10184.71,1378 10200.96,1361.75 10200.96,1358.88 10205.32,1354.53 10205.32,1320 10205.32,1297.83 10190.03,1282.55 10190.03,1273.89 C168.2@10171.14,1255 10171.14,1182.43 L41.2@10170.71,1182
NetC169_2: C169.2 C172.2 L42.2 L43.1 | length 244.7
  Top Layer w7.5: C172.2@10270.28,1820 10270.28,1743.43 L43.1@10271.71,1742 ; C172.2@10275.28,1820 10275.28,1825.91 10256.39,1844.79 10250.48,1844.79 10241.69,1853.58 C169.2@10241.69,1885 10241.69,1922.36 10241.69,1926.75 10257.94,1943 L42.2@10276.94,1943
NetC170_2: C170.2 C173.2 L43.2 L44.1 | length 236.8
  Top Layer w7.5: L44.1@10270.71,1462 10270.71,1534.57 10270.28,1535 10270.28,1540.91 10251.39,1559.79 10248.08,1559.79 10237.2,1570.67 10237.2,1641.75 10253.45,1658 L43.2@10271.71,1658
NetC171_2: C171.2 C174.2 L44.2 L45.1 | length 236.5
  Top Layer w7.5: L44.2@10270.71,1378 10253.06,1378 10236.81,1361.75 10236.81,1302.17 10256.39,1282.59 10256.39,1273.89 C174.2@10275.28,1255 10275.28,1182.43 L45.1@10275.71,1182
NetC175_2: C175.2 C178.1 L46.1 L47.2 | length 244.4
  Top Layer w7.5: C175.2@9221.26,1820 9221.83,1819.43 L47.2@9221.83,1742 ; C175.2@9226.26,1820 9245.15,1838.89 9245.15,1847.51 9265.31,1867.68 9265.31,1921.3 9262.31,1924.3 9262.31,1926.75 9246.06,1943 L46.1@9227.06,1943
NetC176_2: C176.2 C179.1 L47.1 L48.2 | length 239.9
  Top Layer w7.5: L48.2@9220.83,1462 9221.69,1462.87 9221.69,1535 9240.58,1553.89 9240.58,1562.23 9260.83,1582.48 9260.83,1635.24 9257.08,1638.99 9257.08,1641.75 9240.83,1658 L47.1@9221.83,1658
NetC177_2: C177.2 C180.1 L48.1 L49.2 | length 237.9
  Top Layer w7.5: L48.1@9220.83,1378 9239.83,1378 9256.08,1361.75 9256.08,1358.88 9260.43,1354.53 9260.43,1320 9260.43,1297.83 9245.15,1282.55 9245.15,1273.89 C177.2@9226.26,1255 9226.26,1182.43 L49.2@9225.83,1182
NetC178_2: C178.2 C181.2 L50.2 L51.1 | length 244.7
  Top Layer w7.5: C181.2@9325.39,1820 9325.39,1743.43 L51.1@9326.83,1742 ; C181.2@9330.39,1820 9330.39,1825.91 9311.51,1844.79 9305.6,1844.79 9296.81,1853.58 C178.2@9296.81,1885 9296.81,1922.36 9296.81,1926.75 9313.06,1943 L50.2@9332.06,1943